# Altium PCB LED_12T-V1.2.PcbDoc (continued)
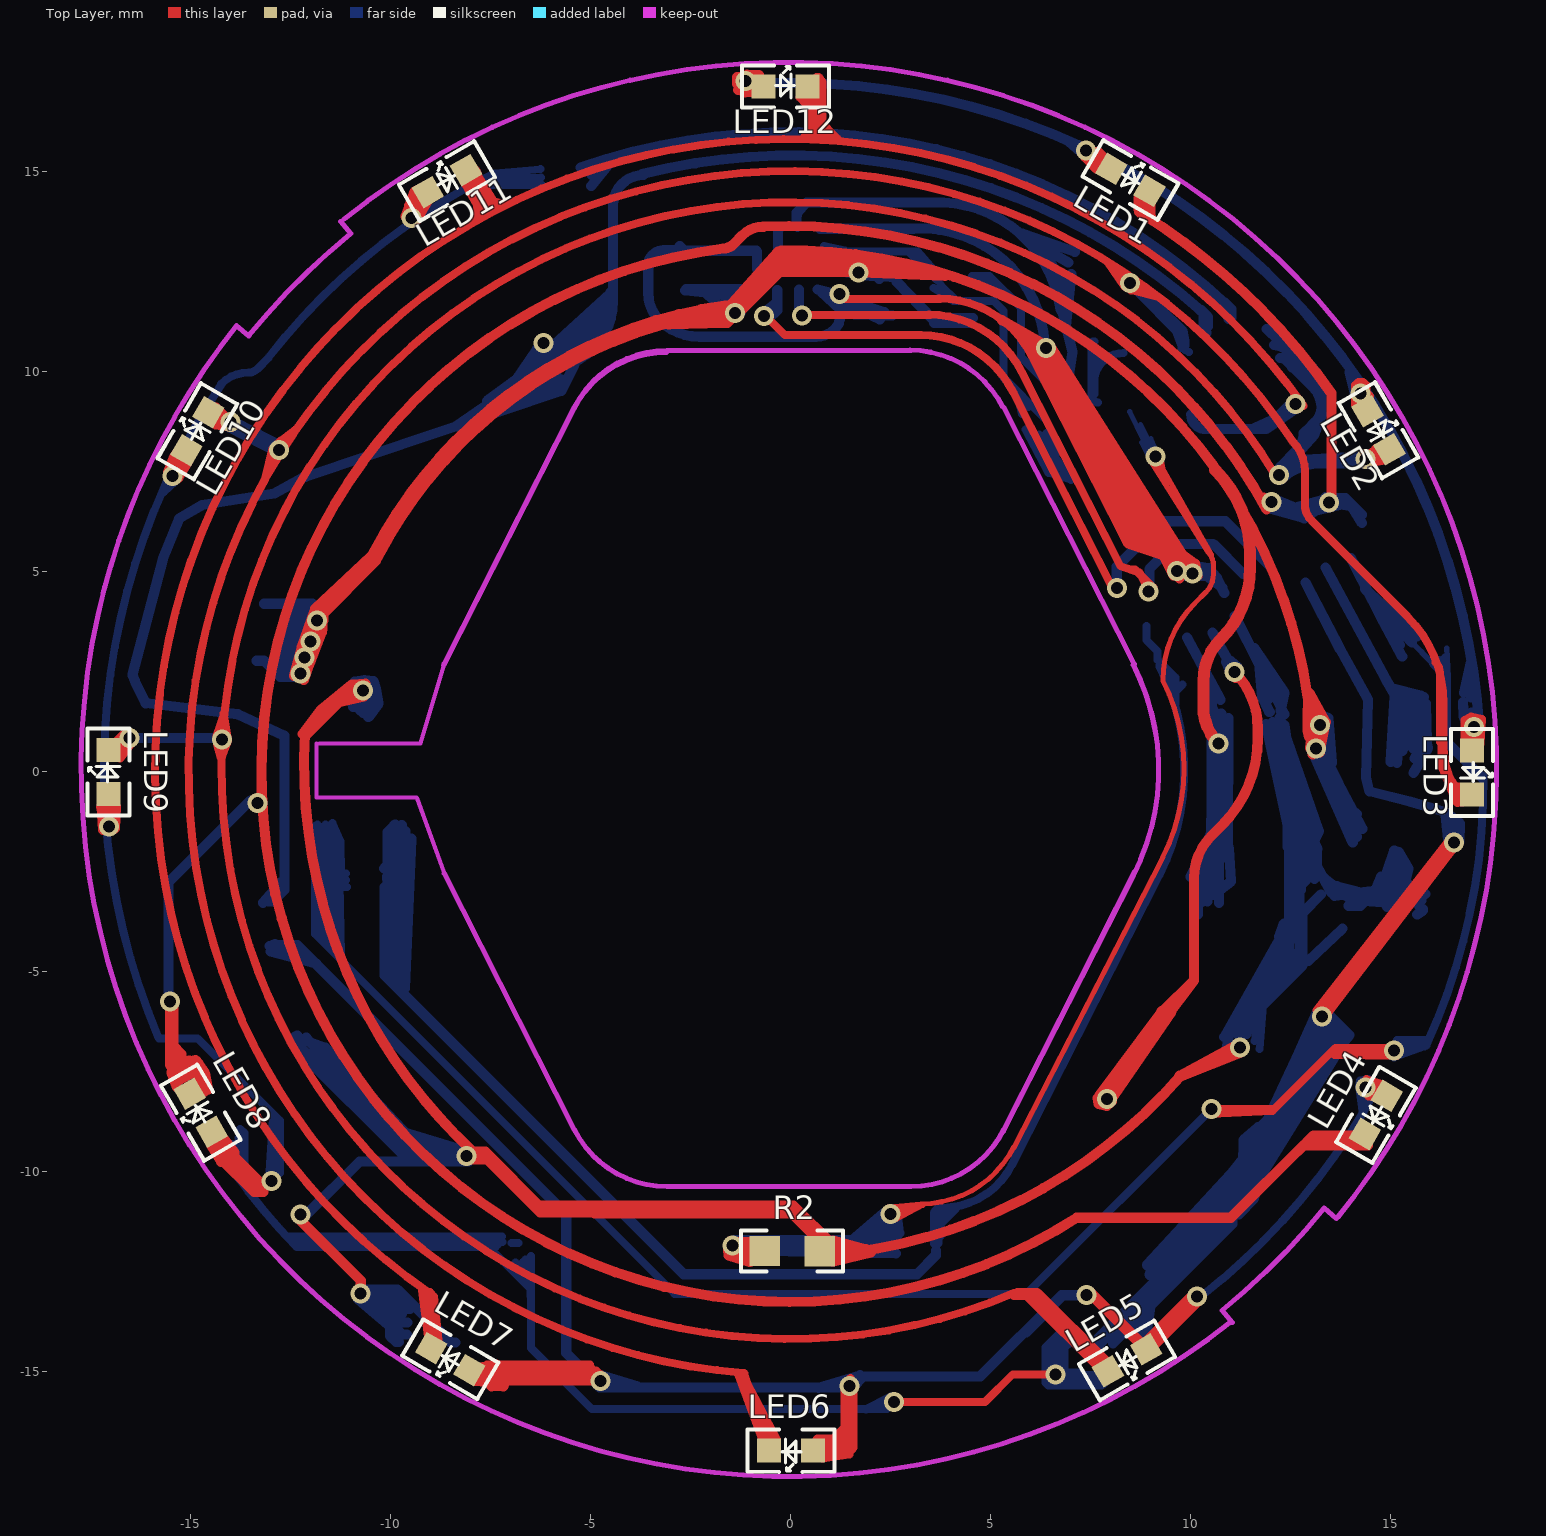
[diagram p0: Top Layer view]
## Nets (pads, with @x,y where several pads share a name; then routed paths per layer and width w, separated by ;. In a path a pad name is that pad's centre, name@x,y a point inside that pad or via, vN(x,y) a via of type N, cw(c..) or ccw(c..) an arc to the next point about the centre after c; other vN are vias at no path point) (continued)
GET2: CLK.1 R1.2 U2.18 | length 65.2
  Bottom Layer w0.254: R1.2@-13.197,-3.271 -12.741,-2.749 ; R1.2@-13.053,-3.237 -12.948,-3.237 -12.663,-2.953 -12.663,0.907 -13.829,1.442 -16.127,1.719 -16.393,2.262 -16.462,2.435 -15.7,5.323 -15.296,6.339 -14.718,6.674 -12.916,6.963 -12.191,7.363 ; -12.131,7.378 -5.733,9.527 CLK.1@-5.405,10.186 ; -8.367,8.643 CLK.1@-5.712,10.474 ; -7.63,8.999 CLK.1@-5.72,9.806 ; -7.599,9.277 CLK.1@-5.934,10.492 ; -7.144,9.268 CLK.1@-5.859,9.919 ; -7.047,9.543 -6.368,10.535 CLK.1@-6.341,10.589 ; -6.68,9.918 CLK.1@-6.394,10.339 ; -6.676,9.749 CLK.1@-6.024,10.065 ; CLK.1@-6.193,10.432 -4.515,11.972 -4.509,11.991 ; CLK.1@-6.131,10.093 ccw(c-6.131,11.779) -4.446,11.779 -4.446,14.168 cw(c-3.693,14.168) -3.693,14.921 ; CLK.1@-5.827,10.344 -4.591,11.694 ; CLK.1@-5.79,10.457 CLK.1@-5.449,10.962 ; CLK.1@-5.626,10.281 -4.616,11.423 ; CLK.1@-5.342,10.319 -4.723,11.006 -4.717,11.025 ; -3.722,14.944 cw(c0.048,0.068) 10.251,11.53 cw(c10.251,11.463) 10.318,11.463 10.318,11.045 ccw(c10.384,11.045) U2.18@10.384,10.979 ; 10.229,11.542 10.257,11.542 10.423,11.376 10.423,11.134
  other v1: -6.186,10.725
GET3: R4.2 U2.19 | length 19.2
  Bottom Layer w0.25: U2.19@10.935,11.321 10.935,11.538 cw(c10.959,11.538) 10.942,11.555
  Bottom Layer w0.254: R4.2@-5.258,15.11 cw(c-0.024,0.032) 10.895,11.673 ; R4.2@-4.99,14.652 -4.474,15.289 ; R4.2@-4.984,14.927 -4.749,15.157 ; 10.836,11.732 10.845,11.732 11.011,11.566 U2.19@11.011,11.352
GND: C1.1 C18.2 C19.2 GND.1 K2.1 K2.3 P1.1 P5.1 Q1.3 R2.2 RE1.2 U2.7 U3.1 U3.4 U3.8 U3.9 | length 239.5
  Top Layer w0.2: v1@1.184,11.826 3.728,11.826 ; 3.702,11.834 cw(c3.702,9.234) 6.02,10.412 ; 5.984,10.772 v1@6.221,10.452 ; 6.034,10.388 8.423,5.682 9.291,5.399 v1@9.553,4.882 ; 6.204,10.402 8.602,5.697 ; v1@6.336,10.524 8.835,5.718 ; v1@6.493,10.398 9.456,5.664 ; v1@6.518,10.644 v1@10.022,5.111 ; 8.799,5.7 8.933,5.566 9.011,5.566 ; 8.826,5.765 8.935,5.765 8.998,5.827 9.394,5.827 v1@10.14,5.082 ; 9.268,5.837 10.133,5.222 v1@10.191,4.88 ; 9.321,5.723 v1@9.994,5.05
  Top Layer w0.254: v1@-12.35,-11.109 -12.35,-11.121 -10.755,-12.716 v1(-10.755,-13.037) ; -12.207,0.949 -11.74,1.56 -10.976,2.19 -10.632,2.209 v1@-10.699,2.161 ; -11.329,1.741 v1@-10.67,1.884 ; v1@-10.628,2.004 -11.039,2.004 -12.087,0.956 -12.15,0.956 ccw(c1.05,0.195) v1@-7.923,-9.515 ; v1@-8.194,-9.683 -7.595,-9.683 -6.272,-11.006 -4.216,-11.006 ; v1@-8.051,-9.495 -7.64,-9.495 -6.209,-10.926 -6.147,-10.926 ; -6.513,-10.657 -6.326,-10.845 -4.698,-10.845 -4.663,-10.881 -4.627,-10.881 ; -5.039,-10.842 0.061,-10.842 1.043,-11.824 1.218,-11.824 ; -4.912,-11.032 0.014,-11.032 R2.2@0.885,-11.903 ; R2.2@0.683,-11.88 0.689,-11.886 1.056,-11.714 1.876,-11.932 ; R2.2@0.752,-12.104 0.746,-12.115 1.067,-12.242 2.002,-12.018 ; R2.2@0.872,-11.875 1.652,-11.989 ; R2.2@0.903,-12.086 ccw(c-0.225,1.087) 9.728,-7.617 ; 5.282,11.291 v1@6.404,10.65 ; 6.087,10.446 v1(6.375,10.598) ; 6.997,9.353 9.075,5.75 ; 7.772,7.373 8.608,5.91 ; 8.475,5.789 9,5.789 9.715,5.074 v1@9.715,4.839 ; 8.509,7.066 9.198,5.738 ; 9.717,-7.596 v1@11.168,-6.81 ; 9.725,-7.619 v1@11.244,-7.016
  Bottom Layer w0.2: GND.1@11.403,-6.575 11.612,-6.221 ; GND.1@11.596,-6.726 11.706,-6.033 ; GND.1@11.721,-6.93 11.805,-5.814
  Bottom Layer w0.254: K2.3@-12.392,-6.622 -11.642,-6.89 -9.125,-9.565 ; K2.3 -12.341,-6.93 -9.633,-9.638 v1@-8.191,-9.638 ; K2.3@-12.258,-6.883 -10.751,-8.334 ; K2.3@-12.116,-6.646 -9.394,-9.668 ; v1@-12.1,-11.062 -10.779,-9.741 v1@-8.054,-9.741 ; Q1.3@-10.976,1.73 -10.902,2.264 -10.656,2.301 -10.434,2.272 -10.374,2.071 -10.308,1.715 -10.538,1.388 Q1.3@-10.567,1.381 ; Q1.3@-10.942,1.625 -10.942,1.82 Q1.3@-10.855,1.906 ; v1@-10.816,-13.187 RE1.2@-9.825,-14.028 ; v1@-10.769,-12.937 -9.831,-12.937 -8.507,-14.261 RE1.2@-8.382,-14.261 ; Q1.3@-10.769,1.539 -10.769,2.047 v1@-10.758,2.058 ; v1(-10.755,-13.037) -9.732,-14.061 K2.1@-9.601,-14.061 ; Q1.3@-10.693,1.474 -10.628,1.539 v1@-10.628,2.047 ; Q1.3@-10.52,2.015 -10.487,1.982 Q1.3@-10.487,1.668 ; -10.501,-13.08 -9.822,-13.76 K2.1@-9.589,-13.76 ; -10.26,-13.116 -9.822,-13.554 K2.1@-9.723,-13.554 ; -10.063,-13.134 -9.822,-13.376 K2.1@-9.795,-13.376 ; K2.1@-10.018,-13.617 -10.018,-14.106 -9.872,-14.252 RE1.2@-9.795,-14.252 ; -9.929,-13.089 -9.598,-13.42 K2.1@-9.527,-13.42 ; -9.828,-8.955 v1@-8.055,-9.494 ; -9.542,-9.267 v1@-8.173,-9.537 ; -9.461,-9.456 -8.594,-9.547 ; C18.2@-2.777,13.144 -2.662,13.03 U3.9@-0.856,13.03 ; C18.2@-2.731,13.04 -2.755,13.04 -3.182,13.04 ccw(c-3.182,12.641) -3.465,12.923 ccw(c-3.22,12.678) -3.566,12.678 -3.566,11.971 ccw(c-2.607,11.971) -3.286,11.292 ccw(c-2.287,12.291) -2.287,10.879 0.63,10.879 ccw(c0.63,11.545) 1.101,11.074 ccw(c0.799,11.375) 1.226,11.375 v1@1.226,11.956 ; U3.8@-0.85,12.573 U3.9@-0.85,13.015 ; U3.4 v1@1.067,11.957 ; U3.1@0.731,13.581 3.068,13.581 ; U3.4@0.756,12.007 1.242,11.557 ; v1@1.222,11.87 ccw(c1.655,11.87) 1.655,11.437 2.308,11.437 cw(c2.308,11.415) 2.329,11.415 ccw(c2.336,11.415) 2.336,11.408 C19.2@2.542,11.408 ; v1@1.242,11.78 C19.2@2.223,11.308 ; v1@1.326,11.826 C19.2@2.342,11.495 ; v1@1.345,11.732 2.08,11.486 ; 3.097,13.585 cw(c3.253,10.489) v1@6.347,10.679 ; v1@9.727,5.146 10.276,5.12 10.434,5.098 10.651,4.855 U2.7@10.835,4.476 ; v1@9.835,4.899 10.41,4.888 U2.7@10.793,4.608 ; GND.1@10.833,-6.631 12.276,-4.082 12.296,-4.047 ; GND.1@10.887,-6.93 10.986,-6.382 11.362,-6.064 ; U2.7@11.095,3.901 C1.1@12.341,1.442 ; GND.1@11.169,-6.56 11.169,-6.234 12.245,-5.158 12.245,-4.783 ; GND.1@11.239,-6.671 11.239,-6.393 12.794,-4.839 12.794,-3.52 P5.1@13.252,-3.062 ; GND.1@11.414,-6.212 11.998,-5.187 ; 11.464,-5.918 12.092,-4.77 12.207,-4.559 ; U2.7@11.59,3.097 12.344,1.976 C1.1@12.245,1.524 ; 11.715,2.588 11.783,1.877 11.956,1.502 C1.1@11.973,1.498 ; 11.878,1.193 12.541,-1.897 ; C1.1@11.926,1.968 C1.1@11.934,1.808 ; 12.011,-5.207 12.018,-5.192 12.378,-4.497 ; 12.037,1.244 13.162,-1.931 ; 12.155,0.673 12.827,-1.687 ; 12.19,-4.856 12.247,-4.203 ; C1.1@12.214,1.361 13.199,-1.476 12.934,-2.023 ; 12.326,-3.785 12.206,-4.114 12.363,-4.469 12.378,-4.463 ; 12.341,1.175 12.408,0.732 12.417,-1.881 ; 12.412,-5.047 12.412,-4.873 12.509,-4.776 ; 12.45,-1.7 12.45,-4.548 12.48,-4.578 ; 12.534,-4.563 12.618,-4.563 12.717,-4.464 12.717,-2.868 P5.1@12.877,-2.708 ; 12.541,-1.586 12.617,-1.167 ; P5.1@12.58,-4.166 12.58,-2.967 12.656,-2.891 ; 12.628,-4.776 12.799,-4.642 ; 12.628,-2.888 12.628,-1.402 12.825,-1.206 ; 12.648,-0.021 12.648,-0.014 ; 12.746,-2.947 12.746,-1.579 12.884,-1.442 ; P5.1@12.913,-2.642 12.913,-1.255 12.992,-1.176 ; 12.94,-4.724 P5.1@13.791,-3.917 ; 13.083,-2.311 13.155,-2.349 ; P5.1@13.087,-2.679 13.1,-2.425 ; 13.126,-2.321 P5.1@13.517,-3.025 ; 13.14,-1.884 13.149,-1.894 13.149,-2.278 ; P5.1@13.305,-2.615 13.305,-2.634 14.012,-3.196 P5.1@15.097,-3.29 ; P5.1@13.593,-3.095 14.82,-2.945 14.755,-2.615 P5.1@14.583,-3.031 ; P5.1@13.645,-2.857 13.656,-2.857 P5.1@14.595,-3.097 ; P5.1@13.947,-3.344 14.234,-3.344 14.743,-2.836 14.743,-2.653 ; P5.1@14.728,-3.02 P1.1@15.085,-1.965 ; 14.866,-2.951 14.902,-3.019 ; P5.1@14.901,-3.378 14.901,-2.66 ; P5.1@14.968,-3.159 P1.1@15.147,-1.993 ; P5.1@15.046,-3.097 15.275,-2.489 ; 15.053,-2.827 15.066,-2.719 ; P5.1@15.154,-3.522 15.443,-2.418 P1.1@15.197,-1.999 ; 15.219,-2.333 15.264,-2.4 ; 15.275,-2.766 P5.1@15.478,-3.266 ; 15.431,-2.796 15.552,-3.043 P5.1@15.716,-3.377 ; 15.56,-2.919 15.582,-2.932 15.694,-2.997 ; P5.1@15.659,-3.565 15.806,-3.467 15.806,-3.43 ; 15.738,-3.114 15.76,-3.215
  other v1: -12.255,-11.062 -8.114,-9.602 11.229,-6.892 -10.693,2.036 10.035,4.967 9.655,5.019 1.22,11.947
I2C_SCL: pad.0@6.935,12.681 R14.1 U2.12 U3.12 | length 22.5
  Bottom Layer w0.2: U3.12@0.162,13.6 0.162,13.8 cw(c0.691,13.8) 0.317,14.174 cw(c0.457,14.034) 0.457,14.232 ; R14.1@4.53,12.394 4.968,12.394 5.755,11.607 5.755,10.373 U2.12@6.919,9.209
  Bottom Layer w0.254: U3.12@0.143,13.671 0.143,13.983 0.395,14.235 3.483,14.235 ; 3.513,14.239 cw(c3.669,11.144) 6.729,11.638 ccw(c6.925,11.638) 6.786,11.499 7.04,10.496 6.939,9.848 U2.12@6.954,9.193 ; R14.1@4.599,12.256 4.607,12.256 5.034,12.256 ; R14.1@4.677,12.219 5.083,12.198 ; 5.79,13.464 5.804,13.449 pad.0@7.097,13.006 ; 5.982,13.294 pad.0@6.935,12.732 ; 6.351,12.969 pad.0@6.602,12.54 ; 6.684,11.993 pad.0@6.735,12.34 ; pad.0@6.861,12.414 6.883,11.432 ; 6.876,11.158 pad.0@7.009,12.451
I2C_SDA: pad.0@5.82,9.076 R13.1 U2.11 U3.2 | length 16
  Bottom Layer w0.2: U3.2@0.677,13.013 2.937,13.013 R13.1@3.653,12.297 ; U3.2@0.824,13.151 1.354,13.036 ; 2.791,13.013 3.159,13.017 R13.1@3.739,12.359 ; R13.1@3.571,12.1 4.064,11.775 ; R13.1@3.736,12.181 4.143,11.774 5.072,11.774 5.318,11.528 5.318,9.858 U2.11@6.311,8.866 ; pad.0@5.653,9.454 5.659,9.448 pad.0@5.781,8.953 ; pad.0@5.848,9.253 pad.0@5.946,9.124 ; pad.0@5.869,8.556 6.446,7.479 U2.11@7.002,7.311 ; pad.0@6.097,8.436 6.183,8.293 ; pad.0@6.208,8.434 7.002,7.298 U2.11@7.014,7.311 ; 6.245,8.208 6.245,8.196 6.642,7.463 ; U2.11@6.385,8.471 6.63,7.964
ICE_DAT: DAT.1 U2.8 | length 23.9
  Top Layer w0.254: v1@7.715,-8.074 9.252,-6.012 ; v1@7.782,-8.039 7.665,-8.153 7.689,-8.302 7.896,-8.347 v1@8.021,-8.242 ; v1@7.848,-8.218 9.271,-5.984 ; v1@7.848,-8.198 9.462,-6.022 ; v1@7.953,-8.275 9.519,-5.993 ; 9.287,-5.999 10.076,-5.21 10.076,-2.658 cw(c11.578,-2.658) 10.516,-1.596 10.774,-1.338 ccw(c8.606,0.83) 11.672,0.83 11.672,1.091 ccw(c9.686,1.091) v1@11.091,2.495 ; 9.368,-6.165 10.062,-5.24 ; v1@11.122,2.347 v1@11.122,2.539
  Bottom Layer w0.254: U2.8@10.54,3.48 v1(11.095,2.504) ; U2.8@10.884,2.748 10.988,2.517 v1@11.045,2.392 ; U2.8@10.997,2.776 v1@11.176,2.614
  other v1: 7.897,-8.173
INT1: U2.6 U3.5 | length 17.2
  Top Layer w0.2: v1@0.264,11.424 3.474,11.424 ; 3.447,11.432 cw(c3.447,8.832) 5.765,10.009 ; 5.779,9.985 8.238,5.143 8.717,4.987 v1@8.901,4.623 ; 8.513,5.059 8.606,5.059 9.055,4.61 v1@9.062,4.61
  Bottom Layer w0.254: v1@0.201,11.441 U3.5@0.201,12.058 ; v1@8.962,4.508 8.962,5.072 9.592,5.702 10.557,5.702 U2.6@11.303,4.956
  other v1: 8.942,4.508 0.274,11.413
INT2: U2.5 U3.6 | length 18.9
  Top Layer w0.2: v1@-0.566,11.339 -0.146,10.919 3.258,10.919 ; 3.231,10.927 cw(c3.231,8.327) 5.549,9.505 ; 5.563,9.481 v1@8.104,4.476
  Bottom Layer w0.254: v1@-0.743,11.434 -0.416,11.687 ; v1@-0.537,11.349 -0.342,11.543 U3.6@-0.342,12.052 ; v1@8.148,4.664 8.148,5.129 9.285,6.265 10.862,6.265 U2.5@11.948,5.18
  other v1: 8.148,4.603 -0.669,11.399
KEY: K2.2 K2.4 RE1.1 RESET.1 U2.4 | length 135.6
  Top Layer w0.2: v1(2.576,-15.753) 4.854,-15.753 5.548,-15.059 v1(6.621,-15.059)
  Top Layer w0.254: v1@13.17,-5.967 16.519,-1.67 v1@16.519,-1.654 ; v1@13.277,-6.179 16.601,-1.818 v1@16.601,-1.801
  Bottom Layer w0.2: K2.2@-14.573,-9.006 ccw(c-1.03,-0.843) -12.375,-11.859 ; -13.893,-9.779 -13.885,-9.791 ; -13.8,-9.666 -13.796,-10.01 ; K2.2@-13.766,-8.925 -13.659,-9.026 -13.665,-10.318 -13.677,-10.313 ; -12.551,-11.616 K2.4@-7.223,-11.616 ; -12.35,-11.875 -7.382,-11.875 K2.4@-7.338,-11.832 ; -12.335,-11.746 K2.4@-7.209,-11.746 ; K2.4@-7.461,-11.802 -7.461,-11.972 -6.505,-12.928 -6.505,-13.098 ; K2.4@-6.98,-11.773 K2.4@-6.81,-11.773 ; K2.4@-6.889,-12.267 -6.576,-12.58 -6.576,-12.714 ; -6.692,-12.49 -6.692,-12.249 K2.4@-6.63,-12.186 ; -6.496,-12.101 -6.496,-14.405 -4.977,-15.923 2.406,-15.923 v1(2.576,-15.753) ; 1.877,-15.933 v1@2.492,-15.615 ; 2.319,-15.831 v1@2.438,-15.712 ; v1(6.621,-15.059) 6.661,-15.02 RE1.1@7.21,-15.02
  Bottom Layer w0.25: 13.734,3.067 14.428,1.809 14.379,-0.143 14.461,-0.486 15.474,-0.739 16.421,-1.025 16.625,-1.327 v1(16.576,-1.76) ; 16.405,-1.021 16.728,-1.287 v1@16.714,-1.751
  Bottom Layer w0.254: v1@6.608,-15.016 6.608,-14.432 RE1.1@6.845,-14.196 ; v1@6.653,-15.105 RE1.1@7.909,-15.105 ; v1@6.815,-15.053 6.815,-14.388 RE1.1@6.948,-14.255 ; RE1.1@7.527,-14.404 7.611,-14.404 10.836,-11.179 ; RE1.1@7.527,-14.285 7.551,-14.285 10.61,-11.226 ; RE1.1@7.643,-14.24 7.089,-14.24 6.911,-14.063 6.719,-14.063 6.394,-14.388 6.394,-15.26 6.446,-15.312 7.768,-15.312 RE1.1@8.108,-14.972 ; RE1.1@8.051,-14.285 11.038,-11.298 11.038,-10.715 ; 10.929,-10.147 11.731,-9.139 ; 11.151,-10.788 12.265,-8.712 ; 11.197,-11.063 11.578,-10.658 11.914,-9.147 ; 11.289,-10.847 13.867,-6.682 ; 11.304,-10.284 11.792,-9.192 ; 11.317,-10.472 11.298,-10.445 11.317,-9.198 11.677,-8.883 11.677,-8.893 ; 11.334,-10.032 11.609,-9.261 ; 11.461,-9.341 11.529,-9.206 ; 11.549,-9.051 12.413,-8.214 ; 11.625,-9.747 13.615,-6.598 ; 11.761,-9.135 v1@13.163,-5.991 ; 11.823,-9.131 13.22,-6.474 ; 11.907,-8.719 v1@13.075,-6.215 ; 12.103,-9.266 13.777,-6.656 ; U2.4@12.867,4.733 13.734,3.064 ; 13.121,-6.498 v1@13.231,-6.244 ; 13.259,-6.797 13.545,-6.359 ; v1@13.397,-6.018 13.96,-6.581 13.789,-6.797 ; 13.419,-6.337 11.915,-9.161 11.907,-9.192 13.656,-6.482 ; 13.504,-6.281 13.794,-6.567 ; 16.368,-1.084 v1@16.442,-1.802
  Bottom Layer w0.3: RE1.1@8.637,-14.145 8.654,-13.677 ; RE1.1@8.819,-14.362 RESET.1@9.027,-12.939 ; RESET.1@8.927,-12.332 11.311,-9.748 ; RESET.1@8.99,-12.563 11.384,-10.053 ; RESET.1@9.315,-12.363 11.153,-10.651
  other v1: 13.282,-6.113
LED12_A: LED1.1 LED2.1 LED3.1 LED12.1 R5.1 | length 41.1
  Top Layer w0.2: v1@-1.101,17.458 -1.089,17.446 -0.796,17.446 ; -0.779,17.437 -0.776,17.435 LED12.1@-0.768,17.435 ; v1@7.337,15.353 7.63,15.06 7.915,15.06 7.941,15.085 LED1.1@7.966,15.085 ; v1@7.354,15.411 7.624,15.411 cw(c7.624,15.021) 8.014,15.021 8.014,15.035 cw(c8.021,15.035) LED1.1@8.021,15.042 ; v1@7.484,15.4 7.703,15.18 LED1.1@7.751,15.18 ; v1@7.505,15.529 7.691,15.529 7.828,15.391 7.906,15.314 LED1.1@7.906,15.301 ; LED2.1@14.295,8.986 14.105,9.175 14.105,9.668 14.19,9.754 14.309,9.754 14.385,9.678 14.385,9.498 14.48,9.403 ; LED3.1@16.971,0.593 16.95,0.6 16.839,0.787 16.846,1.294 17.006,1.384 17.276,1.322 LED3.1@17.242,0.704 ; LED3.1@17.027,0.567 17.027,0.815 cw(c17.5,0.815) v1@17.165,1.149 ; v1@17.11,1.107 LED3.1@17.152,0.766
  Top Layer w0.254: -1.316,17.051 -1.143,16.994 -0.683,17.013 LED12.1@-0.67,17.006 ; v1@-1.209,17.377 -1.344,17.377 -1.344,17.2 -1.293,17.149 -1.089,17.149 -1.019,17.219 LED12.1@-0.721,17.219
  Bottom Layer w0.254: v1@-1.17,17.188 cw(c0.016,0.003) v1@17.208,1.076 ; v1@-1.03,17.39 -0.482,17.212 ; 6.95,15.754 v1@7.351,15.414 ; v1@7.368,15.431 8.135,15.19 ; 13.968,9.997 14.124,9.352 14.575,9.077 ; R5.1@16.801,1.749 16.822,1.382 16.972,1.03 v1@16.976,1.04 ; R5.1@16.83,1.97 17,2.75 ; 16.961,2.177 R5.1@17.011,1.86 ; R5.1@17.015,1.479 v1@17.04,1.258
  other v1: 17.084,1.128 14.235,9.467 7.377,15.542 -1.139,17.276
LED_SING: U2.15
LIGNT_IN: R2.1 R3.2 U2.14 | length 50.5
  Top Layer w0.127: v1@2.446,-10.873 3.254,-10.797 ccw(c3.254,-8.197) 5.572,-9.374 ; v1@2.599,-11.206 3.296,-10.836 ; 5.574,-9.402 9.293,-2.143 ; v1@9.008,7.746 10.437,5.483 cw(c10.129,5.175) 10.565,5.175 10.565,4.948 cw(c9.928,4.948) 10.378,4.498 10.1,4.219 ccw(c12.032,2.286) 9.299,2.286 cw(c4.954,0.08) 9.299,-2.127 ; v1@9.119,7.737 9.263,7.482 ; v1@9.125,7.885 10.514,5.435 ; v1@9.238,7.882 9.399,7.108
  Top Layer w0.254: v1@-1.574,-11.946 ccw(c-1.48,-11.946) -1.48,-12.041 R2.1@-0.722,-12.041 ; -1.554,-12.092 -1.026,-12.253 -0.768,-12.167 R2.1@-0.763,-12.167 ; v1@-1.498,-11.725 ccw(c-1.473,-11.725) -1.473,-11.75 -0.792,-11.75 cw(c-0.792,-11.826) -0.716,-11.826 ccw(c-0.71,-11.826) R2.1@-0.71,-11.832 ; v1(-1.461,-11.845) -0.716,-11.845 cw(c-0.716,-11.877) R2.1@-0.685,-11.877 ; v1@2.541,-11.037 3.053,-10.889
  Bottom Layer w0.127: U2.14@8.472,9.005 v1@9.017,7.891 ; U2.14@8.736,8.69 9.093,7.993 v1@9.11,7.993 ; U2.14@8.77,8.231 8.923,7.933 v1@9.042,7.823 ; U2.14@9,8.333 v1@9.212,7.857
  Bottom Layer w0.254: v1(-1.461,-11.845) cw(c-1.442,-11.845) -1.442,-11.826 R3.2@2.597,-11.826 ; v1@-1.407,-11.707 1.925,-11.688 ; v1@-1.403,-11.961 R3.2@2.629,-12.042 ; 1.367,-11.846 v1@2.316,-11.032 ; 1.78,-11.833 v1@2.444,-11.161 ; 2.133,-11.773 2.461,-11.467 2.461,-11.458 ; R3.2@2.509,-11.751 2.532,-11.728 v1@2.532,-11.102 ; R3.2@2.511,-11.822 2.707,-11.523 v1@2.645,-11.017 ; v1@2.527,-10.942 2.613,-11.028 2.613,-11.487
  other v1: 2.492,-11.052 9.119,7.891
LIGNT_VDD: Q1.1 R3.1 R6.1 U2.10 | length 57.5
  Bottom Layer w0.2: 3.78,-10.896 ccw(c3.78,-8.942) 5.522,-9.826 9.247,-2.491 ; U2.10@8.886,3.645 8.886,3.296 9.171,3.012 9.171,2.8 9.61,2.361 9.61,2.115 ; 9.21,-2.579 ccw(c4.052,0.041) 9.21,2.661 ; 9.49,2.249 9.49,2.365 U2.10@9.494,2.369 ; 9.615,1.706 9.615,2.012 U2.10@9.787,2.184
  Bottom Layer w0.254: R6.1@-10.174,-2.41 -10.076,-2.313 -10.076,-1.501 Q1.1@-9.892,-1.318 ; R6.1@-10.155,-2.882 -10.155,-5.085 -2.68,-12.56 3.151,-12.56 3.624,-12.087 R3.1@3.624,-11.961 ; R6.1@-10.098,-2.67 -10.098,-2.616 -9.914,-2.432 Q1.1@-9.914,-1.328 ; R6.1@-10.087,-2.811 -10.087,-2.702 -9.633,-2.248 Q1.1@-9.633,-1.48 ; -9.998,-5.124 R6.1@-9.998,-2.616 ; R6.1@-9.936,-2.843 -9.73,-2.637 Q1.1@-9.73,-1.328 ; -9.831,-2.606 -9.831,-5.409 -9.319,-5.921 ; -9.694,-2.374 -9.677,-3.877 ; -9.653,-5.413 Q1.1@-9.489,-1.672 ; 3.607,-11.392 4.112,-10.893 ; R3.1@3.613,-11.785 3.599,-11.785 3.599,-11.625 ccw(c3.537,-11.625) 3.537,-11.563 ccw(c3.537,-11.5) 3.599,-11.5 3.599,-11.07 cw(c3.738,-11.07) 3.738,-10.931 ; R3.1@3.655,-11.771 3.662,-11.771 cw(c3.662,-11.778) 3.669,-11.778 3.669,-11.653 cw(c3.717,-11.653) 3.717,-11.605 cw(c3.717,-11.598) 3.71,-11.598 3.71,-11.174 cw(c3.953,-11.174) 3.953,-10.931
NetLED4_1: LED4.1 LED5.1 LED6.1 LED7.1 R1.1 | length 75.5
  Top Layer w0.2: LED7.1@-7.752,-14.967 -7.595,-14.81 -5.016,-14.81 ; LED6.1@0.565,-16.98 0.551,-16.987 0.794,-17.16 1.46,-17.07 ; LED6.1@0.683,-16.973 1.363,-16.862 ; LED6.1@0.697,-17.049 1.488,-16.973 ; 0.901,-16.826 1.372,-16.355 ; 1.346,-16.879 1.346,-15.295 v1@1.49,-15.151 ; v1(7.397,-13.071) 7.444,-13.023 7.444,-13.047 LED5.1@8.741,-14.344 ; v1@7.504,-12.988 8.777,-14.261 LED5.1@8.908,-14.261 ; LED5.1@8.807,-14.478 8.807,-14.424 v1@10.07,-13.161 ; LED5.1@8.827,-14.323 8.827,-14.263 v1@10.104,-12.986 ; LED5.1@9.009,-14.458 9.009,-14.444 v1@10.258,-13.195 ; v1@14.376,-8.048 14.438,-8.11 LED4.1@14.786,-8.173 ; v1@14.39,-7.68 14.806,-7.812 14.869,-7.895 LED4.1@14.869,-7.916 ; v1@14.529,-8.048 14.619,-7.826
  Top Layer w0.254: LED7.1@-7.981,-15.021 -7.488,-15.228 ; LED7.1@-7.948,-14.932 -7.374,-14.812 -7.058,-14.944 -7.058,-15.064 -7.19,-15.357 -7.494,-15.345 ; LED7.1@-7.881,-15.221 -7.488,-15.257 -7.488,-15.364 ; -7.777,-15.13 -7.422,-15.13 ; LED7.1@-7.738,-14.992 -7.353,-15.164 ; -7.399,-14.994 -4.872,-14.994 v1@-4.755,-15.111 ; -7.399,-14.928 -7.111,-15.216 v1@-4.741,-15.216 ; -7.373,-14.994 -5.134,-14.994 -5.029,-14.889 ; -7.313,-14.983 -7.291,-15.315 ; LED6.1@0.672,-16.691 1.397,-16.691 ; LED6.1@0.747,-16.844 0.816,-16.826 1.329,-16.691 ; 1.424,-17.01 1.542,-16.892 v1@1.542,-15.334
  Bottom Layer w0.2: 5.892,-14.04 6.861,-13.071 v1(7.397,-13.071) ; v1@10.256,-13.113 ccw(c-0.181,0.167) 14.684,-7.853 ; v1@14.2,-7.869 14.23,-7.718 14.445,-7.675 14.639,-7.821 ; v1@14.217,-7.92 14.294,-8.463 ; 14.389,-8.308 14.437,-8.032 v1@14.437,-8.024
  Bottom Layer w0.254: R1.1@-13.028,-4.351 R1.1@-12.936,-4.351 ; R1.1@-13.009,-4.486 -11.867,-4.794 ; R1.1@-12.959,-4.332 -12.341,-4.332 -5.614,-11.059 -5.614,-14.525 -4.876,-15.263 v1@-4.769,-15.263 ; R1.1@-12.899,-4.403 R1.1@-12.899,-4.298 ; -12.62,-4.466 -12.195,-4.555 ; -5.098,-14.968 -3.833,-15.365 ; v1@-4.859,-15.308 -4.781,-15.386 v1@1.49,-15.386 ; 0.688,-15.404 1.727,-15.081 ; v1@1.516,-15.373 1.555,-15.373 1.817,-15.111 4.736,-15.111 6.765,-13.082 v1@7.407,-13.082
  other v1: 1.464,-15.347 -4.755,-15.229 10.152,-13.119 14.371,-7.887
NetLED8_1: LED8.1 LED9.1 LED10.1 LED11.1 R4.1 | length 53.6
  Top Layer w0.2: v1@-15.601,7.486 -15.44,7.898 -15.283,8.074 LED10.1@-15.25,8.069 ; -14.134,-9.55 -13.943,-9.55 v1@-13.122,-10.371 ; -14.024,-9.673 -13.297,-10.399 -13.236,-10.399
  Top Layer w0.254: v1@-17.196,-1.446 -17.239,-0.877 -17.097,-0.569 LED9.1@-17.078,-0.583 ; v1@-17.061,-1.363 LED9.1@-17.044,-0.551 ; LED9.1@-16.964,-0.616 -16.874,-0.882 v1@-16.902,-1.417 ; v1@-15.454,7.434 -15.206,7.883 LED10.1@-15.2,7.895 ; v1@-15.316,7.353 -15.103,7.709 LED10.1@-14.999,7.96 ; LED8.1@-14.506,-9.03 -14.516,-9.062 -14.496,-9.317 -14.24,-9.745 -13.922,-9.609 -13.906,-9.51 LED8.1@-14.188,-9.155 ; LED8.1@-14.408,-9.081 -14.143,-9.535 ; -14.256,-9.581 -14.256,-9.667 -13.419,-10.503 -13.181,-10.503 ; v1@-9.631,13.891 -9.414,14.507 -9.211,14.607 LED11.1@-9.189,14.607 ; -9.55,14.153 LED11.1@-9.079,14.473 ; v1@-9.463,13.973 LED11.1@-9.175,14.475 ; v1@-9.374,13.777 LED11.1@-9.011,14.404
  Bottom Layer w0.2: -15.675,6.992 v1@-15.273,7.371 ; v1@-15.285,7.428 -15.285,7.422 -15.13,8.099 ; -14.518,-9.052 -14.008,-9.413 ; -14.25,9.697 ccw(c-14.25,9.701) -14.248,9.698 cw(c-13.549,9) -13.549,9.988 ccw(c-13.549,10.29) -13.335,10.076 -13.057,10.354 ; -14.231,9.691 ccw(c-0.003,0.075) -15.798,-6.665 -14.829,-6.665 -12.777,-8.717 -12.777,-10.026 v1@-13.122,-10.371 ; -13.933,-9.486 -13.907,-9.463 ; -13.059,10.363 cw(c-0.053,0.183) -7.421,14.965 R4.1@-6.255,15.067 ; v1@-13.042,-10.194 -12.948,-8.666 ; v1@-12.895,-10.082 -12.886,-9.085 ; -7.852,14.669 R4.1@-6.223,14.675 ; -7.594,14.824 R4.1@-6.246,14.864
  other v1: -12.986,-10.228 -17.044,-1.363 -15.458,7.395 -9.484,13.843
NetLED12_1: 
POS_TEXT: Q1.2 R6.2 TXD.1 U2.2 | length 79.5
  Top Layer w0.2: v1@10.477,-8.548 12.042,-8.476 ; v1(10.512,-8.427) 12.084,-8.427 13.61,-6.901 v1@15.073,-6.901 ; 13.595,-7.065 13.589,-7.071 v1@15.142,-7.107
  Bottom Layer w0.13: TXD.1@15.52,3.171 15.593,3.171 16.405,2.359 ; TXD.1@15.778,3.008 15.778,2.967 16.386,2.359 16.386,0.844 17.251,-0.02 ; TXD.1@16.394,3.091 16.439,2.367 16.405,2.166
  Bottom Layer w0.2: Q1.2@-11.892,-1.355 -11.892,-4.057 -2.904,-13.046 5.893,-13.046 v1(10.512,-8.427) ; -11.883,-2.505 R6.2@-11.123,-2.538 ; Q1.2@-11.83,-1.319 -11.728,-2.518 ; -11.819,-2.698 -11.811,-2.706 R6.2@-11.12,-2.706 ; -11.809,-2.922 R6.2@-11.098,-2.873 ; -11.744,-2.824 R6.2@-11.294,-2.848 ; -11.722,-4.173 -11.706,-2.81 ; -11.664,-2.589 Q1.2@-11.641,-1.311 ; -11.555,-4.356 -11.517,-2.766 ; -11.554,-2.747 Q1.2@-11.554,-1.437 ; -11.474,-2.448 -11.393,-4.491 ; Q1.2@-11.463,-1.279 -11.259,-1.737 R6.2@-11.248,-2.567 ; Q1.2@-11.458,-1.559 -11.409,-2.519 ; R6.2@-11.286,-2.756 -11.248,-4.588 ; v1@15.077,-7.137 15.841,-6.858 ; v1@15.14,-6.852 15.846,-6.852 15.871,-6.827 ; 15.159,-6.704 15.907,-6.704 15.95,-6.661 ; 15.885,-6.835 ccw(c1.462,-0.253) 17.315,-0.106 ; TXD.1@16.054,2.711 16.398,2.367 16.398,0.703 17.316,-0.215 ; TXD.1@16.2,2.797 16.353,2.544 ; 16.349,2.648 TXD.1@16.353,2.866
  Bottom Layer w0.254: U2.2 14.821,3.751 TXD.1@15.283,2.885 ; U2.2@14.358,4.575 TXD.1@15.654,3.393 ; 14.886,3.921 TXD.1@15.528,3.238 ; TXD.1@15.109,3.502 TXD.1@15.224,3.169
  other v1: 15.077,-6.959
pads on no net: P1.0 U2.13 U3.10
copper on no net: | length 4.2
  Bottom Layer w0.2: -14.095,-9.522 -14.093,-9.52 ; -14.01,-9.629 -13.989,-9.602 ; -13.973,-9.298 -13.906,-9.356 ; -13.926,-9.655 -13.896,-9.603 ; -13.849,-9.275 -13.847,-9.294 ; -13.846,-9.537 -13.808,-9.478 ; -13.815,-9.149 -13.789,-9.125 ; -13.768,-9.374 -13.767,-9.394 ; 7.545,9.418 ccw(c7.545,9.459) 7.585,9.459 7.585,9.749 cw(c8.312,9.749) 8.312,10.476 ; 7.585,10.766 ccw(c7.585,10.691) 7.51,10.691 7.51,9.412 ccw(c7.684,9.412) 7.684,9.238 ; 7.661,10.232 ccw(c7.661,10.325) 7.754,10.325 7.754,10.464 ; 7.684,10.342 7.684,10.481
  Bottom Layer w0.254: -12.441,3.574 -12.402,3.574 ; -12.353,3.653 -12.353,3.726 -12.351,3.728 ; 15.7,-2.976 15.789,-3.018 15.861,-3.053

## Keep-outs
Keep-Out Layer:
  lines w0.1: -11.859,0.713 -11.859,-0.643 -9.356,-0.643 ; -11.785,0.717 -9.26,0.717 ; -9.349,-0.652 -8.675,-2.511 ; -9.262,0.718 -8.675,2.686
  lines w0.127: -17.193,4.468 cw(c-0.045,0.086) -13.855,11.156 ; -17.153,4.625 ccw(c-0.045,0.086) 11.009,-13.738 ; -13.86,11.161 -13.554,10.904 cw(c-0.11,0.015) -10.999,13.459 -11.256,13.765 ; -11.169,13.82 cw(c-0.057,0.043) 17.617,-0.915 ; -8.68,2.662 -5.426,9.07 cw(c-3.108,7.893) -3.108,10.493 ; -8.667,-2.534 -5.414,-8.941 ccw(c-3.095,-7.764) -3.095,-10.364 3.006,-10.364 ; -8.667,2.706 -5.414,9.113 cw(c-3.095,7.936) -3.095,10.536 3.006,10.536 ; 2.98,10.544 cw(c2.98,7.944) 5.298,9.121 ; 5.312,-8.985 8.566,-2.577 ; 5.325,9.113 8.585,2.692 ; 8.557,2.678 cw(c3.284,0.001) 9.127,0.917 ; 8.567,-2.572 ccw(c3.408,0.048) 8.567,2.668 ; 8.604,-2.484 5.325,-8.941 ; 11.035,-13.766 10.778,-13.46 ccw(c-0.111,-0.016) 13.333,-10.905 13.639,-11.162 ; 13.672,-11.129 ccw(c-0.057,0.043) 17.619,-0.883 ; 3.006,-10.364 ccw(c3.006,-7.764) 5.325,-8.941 ; 3.006,-10.364 ccw(c3.006,-7.764) 5.325,-8.941

## Silkscreen, mask and mechanical layers (free items; w line width, h text height)
Top Overlay:
  text "玻纤双面板 有铅喷锡  35*35mm 厚度=0.6mm," at -14.495,-21.924 h1.52
Bottom Overlay:
  lines w0.1: 8.972,-1.17 9.055,-1.086 17.631,-1.086 ; 9.125,1.011 9.139,1.025 17.679,1.025
  lines w0.5: -12.473,1.642 -11.24,2.829
  text "I2C_SCL" at 7.614,12.769 h0.8 r315
  text "YZL-W-12T-V1.1" at -10.552,12.761 h1.52 r90
  text "P12" at 9.982,11.741 h0.8 r45
  text "2019-10-19" at -9.231,11.087 h1.52 r90
  text "DAT" at 5.585,9.121 h0.7 r315
  text "-" at 15.109,-0.775 h3 r180
Bottom Solder:
  lines w0.2: 5.988,8.538 6.287,7.707 6.446,7.451 6.892,7.322 ; 6.251,8.22 6.519,7.567 ; 6.342,8.361 6.678,7.426

## Text inside footprints (layer, text, board x,y; h text height)
P5: Bottom Overlay "+" at -12.435,6.422 h3 r165
U3: Bottom Overlay "x" at 0.376,12.888 h0.8; Bottom Overlay "Y" at -0.097,12.3 h0.8